# Allegro board WeChat_ZM_PART_20200601.brd (continued)
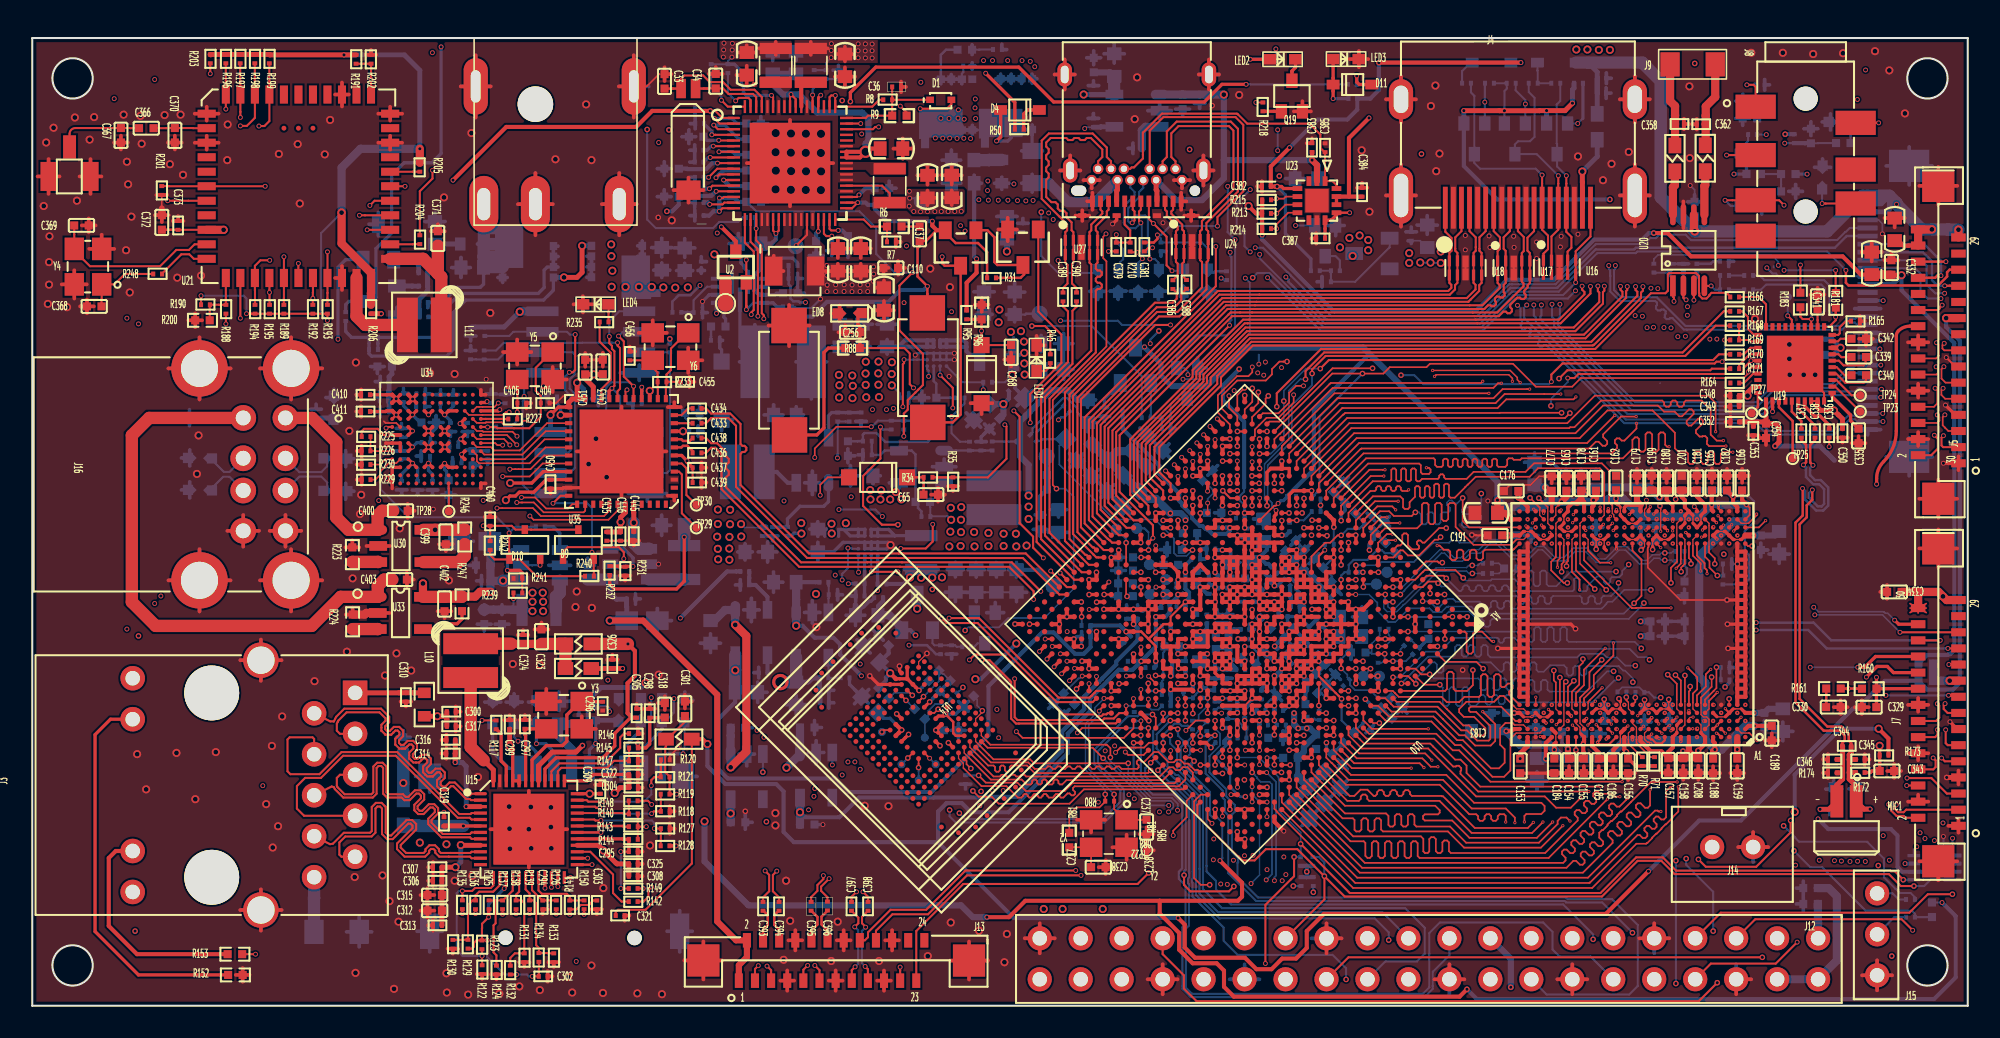
[diagram p0: board, top side]
## Routing (per net, layer and track width the routed paths; a pad name or vN(x,y) marks a point on that pad's centre or on a via; arc(x,y) is an arc through that point) (continued)
  TOP w0.229: 49.88,4.06 J13.14 ; J13.14 50.31,3.43 ; J13.14 50.31,4.68 ; J13.14 50.74,4.06 ; 24.85,8.26 C307.2 ; C307.2 24.85,8.92 ; C307.2 24.54,8.59 ; 40.43,2.81 J13.26 ; J13.26 41.61,3.98 ; J13.26 41.61,1.63 ; J13.26 42.79,2.81 ; J11.B12 71.78,51.19 ; J11.B12 70.78,51.19 ; J11.B12 71.28,50.69 ; 53.31,3.43 J13.20 ; J13.20 53.31,4.68 ; J13.20 52.88,4.06 ; J13.20 53.74,4.06 ; J7.16 116.92,19.08 ; J7.16 116.3,18.66 ; J7.16 116.92,18.23 ; J7.16 117.55,18.66 ; J5.1 119.42,34.06 ; J5.1 118.8,33.63 ; J5.1 119.42,33.21 ; 23.23,25.99 C403.2 ; C403.2 23.65,26.42 ; C403.2 23.23,26.85 ; 50.39,57.03 C11.2 ; C11.2 51.01,57.61 ; C11.2 50.39,58.18 ; C11.2 49.76,57.61 ; C315.2 24.5,7.29 ; C315.2 24.07,6.86 ; C315.2 24.5,6.44 ; C315.2 24.93,6.86 ; 18.78,56.5 U21.36 ; U21.36 19.63,56.5 ; U21.36 19.2,55.76 ; U21.36 19.2,57.24 ; C237.2 69.52,10.64 ; C237.2 69.09,10.21 ; C237.2 68.66,10.64 ; C237.2 69.09,11.06 ; C329.2 113.86,18.51 ; C329.2 113.43,18.08 ; C329.2 113.01,18.51 ; C329.2 113.43,18.94 ; 35.32,49.7 J1.3 ; J1.3 36.39,47.77 ; J1.3 37.47,49.7 ; J1.3 36.39,51.63 ; 58.08,1.62 J13.25 ; J13.25 58.08,3.98 ; J13.25 59.26,2.8 ; J13.25 56.9,2.8 ; J5.32 119.35,50.84 ; J5.32 118.17,52.01 ; J5.32 118.17,49.66 ; J5.32 117,50.84 ; 49.38,1.56 J13.13 ; J13.13 50.24,1.56 ; J13.13 49.81,0.93 ; J13.13 49.81,2.18 ; 19.43,24.26 R224.2 19.86,24.68 ; C158.2 102.36,14.87 ; C158.2 101.93,14.45 ; C158.2 102.36,14.02 ; C158.2 102.79,14.45 ; 37.03,5.59 C321.2 36.72,5.27 ; 25.13,24.46 C402.2 ; C402.2 25.56,24.03 ; C402.2 25.99,24.46 ; R152.1 13.04,2.34 ; R152.1 13.04,1.48 ; R152.1 12.62,1.91 ; R152.1 13.47,1.91 ; 97.6,14.42 C186.2 ; C186.2 98.03,14.85 ; C186.2 98.46,14.42 ; Y4.4 3.38,44.73 ; Y4.4 2.6,43.85 ; Y4.4 2.6,45.6 ; Y4.4 1.83,44.73 ; 79.3,47.58 C387.2 ; C387.2 79.6,47.9 ; C387.2 79.6,47.25 ; 44.3,52.25 U1.69 ; U1.69 46.98,49.57 ; U1.69 46.98,54.92 ; U1.69 49.66,52.25 ; C322.2 37.85,14.34 ; C322.2 37.54,14.01 ; C322.2 37.54,14.67 ; 72.95,56.81 J11.E1 ; J11.E1 72.95,58.67 ; J11.E1 72.32,57.74 ; J11.E1 73.58,57.74 ; SW2.2 46.92,43.45 ; SW2.2 46.92,40.9 ; SW2.2 45.64,42.17 ; SW2.2 48.2,42.17 ; C188.2 104.22,14.85 ; C188.2 103.79,14.42 ; C188.2 104.22,13.99 ; C188.2 104.64,14.42 ; 76.24,50.47 C382.2 ; C382.2 76.24,51.13 ; C382.2 75.94,50.8 ; 10.1,42.07 R200.1 ; R200.1 10.53,42.5 ; R200.1 10.1,42.93 ; R200.1 9.67,42.5 ; 31.96,1.49 C302.2 ; C302.2 32.26,1.82 ; C302.2 31.96,2.15 ; 24.5,5.47 C312.2 ; C312.2 24.07,5.9 ; C312.2 24.5,6.33 ; C312.2 24.93,5.9 ; C350.2 112.56,35.22 ; C350.2 111.91,35.22 ; C350.2 112.24,34.92 ; J11.E2 64.64,57.74 ; J11.E2 64.01,56.81 ; J11.E2 64.01,58.67 ; J11.E2 63.38,57.74 ; 23.28,30.26 C400.2 ; C400.2 23.71,30.69 ; C400.2 23.28,31.12 ; C324.2 30.43,23.29 ; C324.2 30.1,22.99 ; C324.2 30.76,22.99 ; 22.84,18.86 C310.1 ; C310.1 23.16,18.55 ; C310.1 23.49,18.86 ; 41.49,33.03 C437.2 ; C437.2 41.8,33.36 ; C437.2 41.49,33.69 ; 49.98,41.76 C256.2 ; C256.2 50.84,41.76 ; C256.2 50.41,42.19 ; C256.2 50.41,41.33 ; 40.67,39.24 Y6.4 ; Y6.4 41.55,40.02 ; Y6.4 40.67,40.8 ; 3.07,48.38 C369.2 ; C369.2 3.5,48.81 ; C369.2 3.5,47.95 ; C369.2 3.93,48.38 ; C368.2 3.82,43.36 ; C368.2 3.39,42.93 ; C368.2 2.97,43.36 ; C368.2 3.39,43.79 ; 33.56,43.49 LED4.2 ; LED4.2 34.14,42.99 ; LED4.2 34.14,43.99 ; LED4.2 34.72,43.49 ; J7.32 119.35,28.36 ; J7.32 117,28.36 ; J7.32 118.17,27.18 ; J7.32 118.17,29.53 ; 27.82,32.09 U34.A1 28.11,32.39 ; C411.2 20.39,37.17 ; C411.2 20.39,36.51 ; C411.2 20.08,36.84 ; 52.18,43.12 C109.2 ; C109.2 53.43,43.12 ; C109.2 52.81,43.7 ; C109.2 52.81,42.54 ; R223.2 19.85,28.85 ; R223.2 20.27,28.42 ; R223.2 19.42,28.42 ; J5.31 119.35,31.43 ; J5.31 117,31.43 ; J5.31 118.17,30.26 ; J5.31 118.17,32.61 ; J12.39 63.39,4.18 ; J12.39 62.46,3.25 ; J12.39 61.54,4.18 ; J12.39 62.46,5.11 ; C165.2 104.14,33.28 ; C165.2 104.14,32.43 ; C165.2 103.71,32.86 ; C165.2 104.57,32.86 ; C297.2 30.54,18.02 ; C297.2 30.87,17.72 ; C297.2 30.21,17.72 ; C268.2 60.69,40.49 ; C268.2 60.26,40.07 ; C268.2 60.69,39.64 ; C306.2 24.85,8.08 ; C306.2 24.54,7.75 ; C306.2 24.85,7.42 ; 110.26,44.09 C341.2 ; C341.2 110.69,44.52 ; C341.2 110.69,43.66 ; C341.2 111.12,44.09 ; 65.18,51.19 J11.B1 ; J11.B1 65.68,50.69 ; J11.B1 66.18,51.19 ; 71.23,49.35 J11.A1 ; J11.A1 71.56,49.88 ; J11.A1 71.23,50.41 ; Y2.4 67.85,10.6 ; Y2.4 66.97,9.83 ; Y2.4 67.85,9.05 ; 98.43,50.24 J4.20 ; J4.20 99.36,48.31 ; J4.20 100.29,50.24 ; J4.20 99.36,52.17 ; C33.2 39.63,57.76 ; C33.2 39.2,58.19 ; C33.2 39.2,57.33 ; C4.2 52,46.95 ; C4.2 51.37,47.53 ; C4.2 50.74,46.95 ; C4.2 51.37,46.37 ; 65.4,49.88 J11.A12 ; J11.A12 65.73,49.35 ; J11.A12 65.73,50.41 ; 113.45,1.89 J15.1 ; J15.1 114.38,2.81 ; J15.1 115.31,1.89 ; J15.1 114.38,0.96 ; C443.2 35.38,40.48 ; C443.2 35.38,39.63 ; C443.2 34.95,40.06 ; 1.01,50.34 J10.3 ; J10.3 1.01,52.5 ; J10.3 0.33,51.42 ; J10.3 1.69,51.42 ; R127.1 39.52,11.31 ; R127.1 39.82,10.98 ; R127.1 39.52,10.65 ; 53.39,53.14 C6.1 ; C6.1 53.97,53.77 ; C6.1 53.97,52.52 ; C6.1 54.55,53.14 ; C354.2 107.49,35.63 ; C354.2 107.06,35.2 ; C354.2 107.49,34.77 ; 27.56,1.96 R122.1 ; R122.1 27.89,1.66 ; R122.1 28.22,1.96 ; C309.2 35.55,13.7 ; C309.2 34.9,13.7 ; C309.2 35.23,14 ; 70.08,0.71 J12.34 ; J12.34 70.08,2.57 ; J12.34 69.16,1.64 ; J12.34 71.01,1.64 ; 105.28,37.5 C348.2 ; C348.2 105.28,38.15 ; C348.2 104.97,37.83 ; Q19.2 78.75,56.08 ; Q19.2 79.28,55.45 ; Q19.2 78.22,55.45 ; 27.82,38.18 U34.M1 28.11,37.89 ; 24.54,4.98 C313.2 ; C313.2 24.85,5.31 ; C313.2 24.85,4.66 ; 20.42,32.29 R229.1 ; R229.1 20.12,32.62 ; R229.1 20.42,32.95 ; C189.2 107.85,16.88 ; C189.2 107.42,16.45 ; C189.2 107.85,16.03 ; C189.2 108.28,16.45 ; 46.38,1.56 J13.7 ; J13.7 46.81,2.18 ; J13.7 47.24,1.56 ; J13.7 46.81,0.93 ; C34.2 42.81,57.77 ; C34.2 42.38,58.2 ; C34.2 41.95,57.77 ; J13.8 47.74,4.06 ; J13.8 47.31,4.68 ; J13.8 47.31,3.43 ; J13.8 46.88,4.06 ; 102.37,48.21 U20.7 102.37,49.87 ; C450.2 32.46,32.06 ; C450.2 31.8,32.06 ; C450.2 32.13,31.76 ; 106.38,35.37 C353.2 ; C353.2 106.71,35.06 ; C353.2 107.03,35.37 ; R202.1 21.33,58.96 ; R202.1 20.68,58.96 ; R202.1 21.01,59.26 ; 98.52,14.42 C156.2 ; C156.2 98.95,14 ; C156.2 99.37,14.42 ; C410.2 20.39,38.21 ; C410.2 20.39,37.56 ; C410.2 20.08,37.88 ; R231.1 37.09,26.67 ; R231.1 36.43,26.67 ; R231.1 36.76,26.37 ; 31.65,5.68 C294.2 31.98,5.98 ; C335.1 113.23,35.31 ; C335.1 112.8,34.88 ; C335.1 113.23,34.45 ; C335.1 113.66,34.88 ; C455.2 40.75,39.01 ; C455.2 41.06,38.68 ; C455.2 40.75,38.35 ; 30.51,2.4 R131.1 ; R131.1 30.18,2.7 ; R131.1 30.84,2.7 ; Y3.2 32.75,18.87 ; Y3.2 31.87,19.65 ; Y3.2 30.99,18.87 ; Y3.2 31.87,18.09 ; 116.3,12.66 J7.4 ; J7.4 116.92,13.08 ; J7.4 117.55,12.66 ; U21.3 10.82,53.94 ; U21.3 10.08,53.51 ; U21.3 10.82,53.08 ; U21.3 11.56,53.51 ; 29.19,40.53 Y5.2 ; Y5.2 30.07,41.31 ; Y5.2 30.07,39.75 ; Y5.2 30.94,40.53 ; J1.5 37.29,58.93 ; J1.5 37.29,55.07 ; J1.5 36.37,57 ; C345.2 113.91,15.27 ; C345.2 113.61,14.94 ; C345.2 113.61,15.6 ; C65.2 56.58,31.69 ; C65.2 56.16,32.12 ; C65.2 55.73,31.69 ; C65.2 56.16,31.26 ; C332.2 115.7,46.22 ; C332.2 115.27,46.65 ; C332.2 114.84,46.22 ; 95.77,14.42 C155.2 ; C155.2 96.63,14.42 ; C155.2 96.2,14.85 ; 116.92,35.14 117.55,35.14 ; 116.92,35.14 116.3,35.14 ; 116.92,35.14 116.92,34.71 ; 116.92,35.14 116.92,35.56 ; J13.19 53.24,1.56 ; J13.19 52.81,0.93 ; J13.19 52.38,1.56 ; J13.19 52.81,2.18 ; C182.2 105.5,32.86 ; C182.2 105.08,32.43 ; C182.2 105.08,33.28 ; C182.2 104.65,32.86 ; R133.1 32.66,2.7 ; R133.1 32.01,2.7 ; R133.1 32.33,2.4 ; 102.86,14.45 C208.2 ; C208.2 103.29,14.87 ; C208.2 103.29,14.02 ; C208.2 103.72,14.45 ; J16.H4 16.05,28.3 ; J16.H4 17.98,26.38 ; J16.H4 14.12,26.38 ; J16.H4 16.05,24.45 ; 26.25,17.9 C300.2 ; C300.2 26.25,18.56 ; C300.2 26.56,18.23 ; C9.2 44.3,58.28 ; C9.2 43.67,57.7 ; C9.2 44.3,57.12 ; 65.1,48.66 J11.E8 ; J11.E8 65.53,48.99 ; J11.E8 65.1,49.32 ; J11.E8 64.67,48.99 ; 39.22,18.34 C318.2 ; C318.2 39.22,19.19 ; C318.2 38.79,18.77 ; 103.2,54.33 C362.1 ; C362.1 103.2,54.98 ; C362.1 102.9,54.66 ; 35.64,21.46 C326.2 ; C326.2 35.97,21.77 ; C326.2 36.29,21.46 ; 10.37,24.45 J16.H3 ; J16.H3 12.3,26.38 ; J16.H3 8.44,26.38 ; J16.H3 10.37,28.3 ; C36.1 53.86,57.3 ; C36.1 54.17,56.97 ; C36.1 53.86,56.64 ; J7.31 119.35,8.96 ; J7.31 117,8.96 ; J7.31 118.17,7.78 ; U21.1 11.56,55.31 ; U21.1 10.82,54.88 ; U21.1 10.08,55.31 ; U21.1 10.82,55.74 ; J12.20 87.86,2.57 ; J12.20 86.94,1.64 ; J12.20 88.79,1.64 ; 113.31,42.12 R165.2 ; R165.2 113.62,42.45 ; R165.2 113.31,42.77 ; 82.25,58.19 LED3.2 ; LED3.2 82.25,59.2 ; LED3.2 82.83,58.69 ; LED3.2 81.68,58.69 ; 82.12,50.72 C384.2 ; C384.2 82.78,50.72 ; C384.2 82.45,51.02 ; 12.9,5.94 J3.15 ; J3.15 15.45,5.94 ; J3.15 14.18,4.66 ; J3.15 14.18,7.21 ; 50.05,42.43 ED8.2 ; ED8.2 50.05,43.42 ; ED8.2 49.54,42.93 ; C301.2 40.89,18.86 ; C301.2 40.46,18.44 ; C301.2 40.46,19.29 ; 8.03,48.59 C372.2 ; C372.2 8.46,49.02 ; C372.2 7.61,49.02 ; J1.6 28.42,57 ; J1.6 26.57,57 ; J1.6 27.49,55.07 ; J1.6 27.49,58.93 ; U35.49 39.31,34.37 ; U35.49 36.53,37.15 ; U35.49 33.76,34.37 ; U35.49 36.53,31.59 ; C439.2 41.49,32.77 ; C439.2 41.8,32.44 ; C439.2 41.49,32.11 ; 71.98,51.79 J11.E3 ; J11.E3 73.24,51.79 ; J11.E3 72.61,50.86 ; J11.E3 72.61,52.72 ; 105.77,9.84 J14.2 ; J14.2 106.69,10.77 ; J14.2 107.62,9.84 ; 20.11,34.4 R226.1 ; R226.1 20.42,34.73 ; R226.1 20.42,34.07 ; 37.47,18.71 C305.2 37.8,18.41 ; 105.58,32.86 C166.2 ; C166.2 106.01,32.43 ; C166.2 106.01,33.28 ; C166.2 106.44,32.86 ; C460.2 28.71,30.31 ; C460.2 28.06,30.31 ; C460.2 28.39,30.61 ; 65.65,10.75 Y2.2 ; Y2.2 66.53,11.53 ; Y2.2 64.77,11.53 ; 105.71,14 C159.2 ; C159.2 105.28,14.43 ; C159.2 106.14,14.43 ; C159.2 105.71,14.85 ; 49.95,46.37 C5.2 ; C5.2 49.95,47.53 ; C5.2 50.57,46.95 ; Y1.3 41.62,50.57 ; Y1.3 40.69,49.79 ; Y1.3 39.76,50.57 ; Y1.3 40.69,51.35 ; 69.11,9.21 TP22.1 ; TP22.1 69.53,9.64 ; TP22.1 69.11,10.07 ; 71.42,48.99 J11.E5 ; J11.E5 71.85,49.32 ; J11.E5 71.85,48.66 ; J11.E5 72.28,48.99 ; 63.72,51.79 J11.E4 ; J11.E4 64.35,52.72 ; J11.E4 64.98,51.79 ; C308.2 37.54,8.36 ; C308.2 37.84,8.03 ; C308.2 37.54,7.7 ; 58.43,43.45 R96.1 ; R96.1 58.86,43.03 ; R96.1 58.86,43.88 ; R96.1 59.29,43.45 ; 115,25.23 C334.2 ; C334.2 115,26.09 ; C334.2 114.57,25.66 ; C185.2 97.11,14.85 ; C185.2 97.54,14.42 ; C185.2 96.69,14.42 ; 116.92,15.23 J7.10 ; J7.10 117.55,15.66 ; J7.10 116.92,16.08 ; J7.10 116.3,15.66 ; Q2.2 61.05,48.13 ; Q2.2 59.9,48.13 ; Q2.2 60.47,48.86 ; Q2.2 60.47,47.4 ; C199.2 100.41,33.28 ; C199.2 100.41,32.43 ; C199.2 100.83,32.86 ; C199.2 99.98,32.86 ; C299.2 29.93,17.71 ; C299.2 29.27,17.71 ; C299.2 29.6,18.01 ; 66.55,8.16 C238.1 ; C238.1 66.98,8.59 ; C238.1 66.55,9.02 ; C238.1 66.12,8.59 ; J4.23 100.29,56.2 ; J4.23 98.43,56.2 ; J4.23 99.36,54.77 ; J4.23 99.36,57.63 ; 12.9,21.43 J3.16 ; J3.16 15.45,21.43 ; J3.16 14.18,20.15 ; J3.16 14.18,22.7 ; 20.69,24.35 U33.2 22.15,24.35 ; C342.2 114.12,41.36 ; C342.2 113.26,41.36 ; C342.2 113.69,40.93 ; C342.2 113.69,41.79 ; 99.06,32.86 C179.2 ; C179.2 99.49,33.28 ; C179.2 99.92,32.86 ; C179.2 99.49,32.43 ; 14.72,29.45 J16.A4 ; J16.A4 16.68,29.45 ; J16.A4 15.7,28.47 ; J16.A4 15.7,30.42 ; C370.2 8.84,53.95 ; C370.2 8.41,53.52 ; C370.2 8.84,53.09 ; C370.2 9.27,53.52 ; 25.21,28.61 C399.2 ; C399.2 25.64,28.18 ; C399.2 26.07,28.61 ; C181.2 103.63,32.86 ; C181.2 103.2,32.43 ; C181.2 103.2,33.28 ; C181.2 102.78,32.86 ; C373.2 9.04,48.96 ; C373.2 9.37,48.66 ; C373.2 8.71,48.66 ; Y6.2 38.47,42.5 ; Y6.2 37.59,41.72 ; Y6.2 38.47,40.94 ; Y6.2 39.35,41.72 ; C451.2 34.71,40.05 ; C451.2 34.28,40.48 ; C451.2 34.28,39.62 ; J10.2 3.61,52.5 ; J10.2 4.29,51.42 ; J10.2 3.61,50.34 ; J10.2 2.93,51.42 ; 37.38,40.57 C456.2 37.05,40.87 ; 37.3,28.53 C445.2 37.62,28.84 ; 106.57,1.64 J12.6 105.64,0.71 ; C295.2 37.54,9.88 ; C295.2 37.54,9.23 ; C295.2 37.84,9.56 ; 105.28,36.82 C349.2 ; C349.2 104.97,37.15 ; C349.2 105.28,37.47 ; LED1.2 62.77,40.95 ; LED1.2 62.27,40.38 ; LED1.2 62.27,41.53 ; 80.24,3.25 J12.25 ; J12.25 80.24,5.11 ; J12.25 81.17,4.18 ; C7.2 56.13,51.49 ; C7.2 55.5,50.91 ; C7.2 54.88,51.49 ; C7.2 55.5,52.07 ; 95.48,0.71 J12.14 ; J12.14 95.48,2.57 ; J12.14 94.56,1.64 ; J12.14 96.41,1.64 ; C371.2 25.15,48.45 ; C371.2 24.72,48.02 ; C371.2 25.57,48.02 ; 114.05,46.15 C331.2 ; C331.2 113.42,46.73 ; C331.2 114.67,46.73 ; C331.2 114.05,47.31 ; 99.64,4.18 J12.9 ; J12.9 101.49,4.18 ; J12.9 100.56,5.11 ; 28.41,10.95 v5(30.79,10.95) ; v5(30.79,10.95) 33.17,10.95 ; v5(30.79,10.95) 30.79,8.57 ; v5(30.79,10.95) 30.79,13.32 ; 37.85,16.87 R146.2 37.55,17.2 ; C157.2 101.43,14.87 ; C157.2 101.86,14.45 ; C157.2 101.01,14.45 ; 25.68,16.15 C316.2 ; C316.2 25.68,16.81 ; C316.2 25.37,16.48 ; 111.33,14.94 C346.2 ; C346.2 111.03,15.27 ; C346.2 111.33,15.6 ; C298.2 38.28,18.71 ; C298.2 37.96,18.41 ; C298.2 38.61,18.41 ; C154.2 95.28,14.85 ; C154.2 95.71,14.42 ; C154.2 94.85,14.42 ; C358.2 102.71,54.67 ; C358.2 102.4,55 ; C358.2 102.4,54.34 ; 30.93,37.37 C405.2 30.63,37.04 ; 119.42,13.73 J7.7 119.42,14.58 ; 79.35,53.78 C383.2 79.02,53.48 ; 31.19,47.77 J1.2 ; J1.2 30.12,49.7 ; J1.2 32.27,49.7 ; J1.2 31.19,51.63 ; 20.42,33.23 R230.1 ; R230.1 20.11,33.56 ; R230.1 20.42,33.88 ; 39.41,31.62 U35.1 39.81,31.32 ; C304.2 37.85,13.53 ; C304.2 37.55,13.85 ; C304.2 37.55,13.2 ; 56.38,51.5 C8.2 ; C8.2 57.63,51.5 ; C8.2 57.01,52.08 ; C8.2 57.01,50.92 ; C333.2 116.1,48.84 ; C333.2 115.47,48.26 ; C333.2 114.84,48.84 ; 111.69,18.51 C330.2 ; C330.2 112.12,18.94 ; C330.2 112.12,18.09 ; C330.2 112.55,18.51 ; 8.44,39.52 J16.H2 ; J16.H2 12.3,39.52 ; J16.H2 10.37,37.59 ; J16.H2 10.37,41.44 ; C177.2 94.63,32.83 ; C177.2 93.78,32.83 ; C177.2 94.2,32.4 ; 100.9,32.86 C180.2 ; C180.2 101.76,32.86 ; C180.2 101.33,33.28 ; C180.2 101.33,32.43 ; 39.41,37.12 U35.12 ; U35.12 40.21,37.12 ; U35.12 39.81,37.42 ; D5.1 59.53,37.36 ; D5.1 58.18,37.36 ; D5.1 58.85,36.68 ; 25.37,15.64 C314.2 ; C314.2 25.67,15.31 ; C314.2 25.67,15.97 ; C317.2 26.25,17.65 ; C317.2 26.56,17.33 ; C317.2 26.25,17 ; R7.1 53.85,47.36 ; R7.1 53.54,47.04 ; R7.1 53.54,47.69 ; J5.16 117.55,41.13 ; J5.16 116.3,41.13 ; J5.16 116.92,40.71 ; J5.16 116.92,41.56 ; R118.1 39.82,12.05 ; R118.1 39.52,11.72 ; R118.1 39.52,12.38 ; Y5.4 33.14,38.83 ; Y5.4 32.27,39.61 ; Y5.4 32.27,38.05 ; 56.75,32.21 R35.1 ; R35.1 57.08,31.91 ; R35.1 57.41,32.21 ; 95.12,32.4 C163.2 ; C163.2 95.55,32.83 ; C163.2 94.69,32.83 ; 37.55,14.86 R147.2 ; R147.2 37.85,15.18 ; R147.2 37.55,15.51 ; C110.2 54.11,45.75 ; C110.2 53.68,46.18 ; C110.2 53.68,45.32 ; C323.2 32,23.33 ; C323.2 31.57,23.76 ; C323.2 31.14,23.33 ; 35,5.68 C303.2 ; C303.2 35.33,5.98 ; C303.2 34.67,5.98 ; J4.21 84.86,52.17 ; J4.21 84.86,48.31 ; J4.21 85.79,50.24 ; J4.21 83.93,50.24 ; C367.2 5.93,53.52 ; C367.2 5.07,53.52 ; C367.2 5.5,53.09 ; C367.2 5.5,53.95 ; J16.H1 16.05,41.44 ; J16.H1 17.98,39.52 ; J16.H1 14.12,39.52 ; J16.H1 16.05,37.59 ; 8.35,50.27 R201.1 7.7,50.27 ; Y4.2 4.3,47.8 ; Y4.2 5.08,46.93 ; Y4.2 3.53,46.93 ; 111.03,14.44 R174.2 ; R174.2 111.33,14.77 ; R174.2 111.33,14.11 ; R124.1 29.11,1.94 ; R124.1 28.78,1.64 ; R124.1 28.45,1.94 ; 116.92,37.71 J5.10 ; J5.10 116.92,38.56 ; J5.10 117.55,38.14 ; J5.10 116.3,38.14 ; 115.01,14.56 C343.2 ; C343.2 115.44,14.98 ; C343.2 115.87,14.56 ; C343.2 115.44,14.13 ; 34.07,17.95 Y3.4 34.95,17.17 ; 25.75,3.53 R130.1 ; R130.1 26.41,3.53 ; R130.1 26.08,3.23 ; J7.1 119.42,11.58 ; J7.1 118.8,11.16 ; J7.1 119.42,10.73 ; J4.22 85.79,56.2 ; J4.22 84.86,54.77 ; J4.22 83.93,56.2 ; J4.22 84.86,57.63 ; 22.19,53.08 U21.31 ; U21.31 22.19,53.94 ; U21.31 22.93,53.51 ; U21.31 21.45,53.51 ; 19.2,44.38 U21.20 ; U21.20 18.78,45.12 ; U21.20 19.2,45.86 ; 20.72,28.51 U30.2 22.18,28.51 ; 22.19,54.88 U21.33 ; U21.33 21.45,55.31 ; U21.33 22.93,55.31 ; U21.33 22.19,55.74 ; C325.2 37.84,8.79 ; C325.2 37.54,9.12 ; C325.2 37.54,8.47 ; 96.04,32.4 C178.2 95.61,32.83 ; 13.08,28.47 J16.B4 ; J16.B4 12.1,29.45 ; J16.B4 13.08,30.42 ; J16.B4 14.06,29.45 ; 104.98,36.2 C352.2 ; C352.2 105.29,35.87 ; C352.2 105.29,36.53
  TOP w0.254: U11.P2 U11.P1 ; U11.P2 U11.R2 ; U11.P2 U11.N2 ; U11.P1 U11.R1 ; U11.P1 U11.N1 ; U10.K9 81.15,23.66 81.15,23.66 ; U11.T28 U11.R28 ; U11.T28 U11.U28 ; U11.T28 U11.T29 ; U11.R28 U11.P28 ; U11.R28 U11.R29 ; 77.93,23.66 U10.N13 77.93,23.66 v2(77.47,23.66) 77.47,23.2 U10.N14 ; U10.U14 75.62,25.03 75.17,25.03 75.17,24.58 U10.U15 ; U10.P16 76.16,22.74 v2(76.55,22.74) 77.01,22.74 U10.N15 ; U10.P16 76.09,22.74 v2(76.09,22.28) ; U10.P16 76.09,22.74 v2(76.09,23.2) 76.09,23.59 76.09,23.59 U10.R15 ; U11.T29 U11.U29 ; U11.T29 U11.R29 ; U11.U29 U11.U28 ; U11.U29 U11.V29 ; 73.79,26.42 73.79,26.81 73.79,26.81 U10.AA14 73.8,26.88 v2(73.8,27.34) 73.8,27.73 73.79,27.73 U10.AB13 ; 73.79,26.42 73.79,25.96 U10.Y15 ; 73.79,26.42 73.49,26.42 U10.AA15 ; 73.79,26.42 74.25,26.42 U10.Y14 ; U11.F2 U11.G2 ; U11.F2 U11.F1 U11.G1 ; U11.F2 U11.E2 ; U11.G2 U11.G1 ; U11.G2 U11.H2 ; U11.P28 U11.N28 ; U11.P28 U11.P29 ; U10.L12 v2(79.77,23.2) ; U10.L12 79.31,23.04 79.31,23.04 79.31,22.74 ; U10.L12 79.3,23.21 78.85,23.21 78.85,22.74 U10.L13 ; v2(79.77,23.2) 79.77,22.74 U10.K12 79.31,22.74 ; v2(79.77,23.2) 79.77,23.59 79.77,23.59 U10.L11 79.83,23.66 v2(80.22,23.66) ; 81.15,23.66 81.15,23.65 U10.J10 ; 81.15,23.66 U10.K10 80.23,23.66 ; 81.15,23.66 U10.J9 81.76,23.66 v2(82.06,23.66) ; 78.85,25.5 78.85,25.5 v2(78.85,25.04) 78.39,25.04 U10.P11 ; 78.85,25.5 78.39,25.5 78.39,25.11 78.39,25.1 U10.P11 ; 78.85,25.5 U10.P10 ; 76.09,28.71 U10.Y9 77.01,28.71 ; 76.09,28.71 76.09,28.26 U10.Y10 76.08,28.25 v2(75.63,28.25) ; 76.09,28.71 U10.AA10 ; 76.09,28.71 76.09,29.17 U10.AA9 76.09,29.18 75.64,29.18 ; U10.P11 78.38,25.03 77.93,25.03 77.93,24.58 U10.P12 ; U10.C20 79.31,15.84 v2(79.31,15.39) U10.C21 ; U11.L28 U11.K28 ; U11.L28 U11.M28 ; U11.L28 U11.L29 ; U11.K28 U11.J28 ; U11.K28 U11.K29 ; U11.J28 U11.H28 ; U11.J28 U11.J29 ; U11.H28 U11.H29 ; U11.H28 U11.G28 ; 72.78,16.3 U10.L27 ; U10.AA12 74.71,27.8 74.25,27.8 ; U10.AA12 74.71,27.79 75.17,27.79 ; U10.AA12 74.71,27.64 74.71,27.64 74.71,27.34 ; U10.AF17 70.12,27.34 ; 70.12,27.34 U10.AE17 ; 70.12,27.34 U10.AF18 ; U11.Y1 U11.AA1 ; U11.Y1 U11.Y2 ; U11.Y1 U11.W1 ; U11.AA1 U11.AA2 ; U11.AA1 U11.AB1 ; 118.92,14.16 118.7,14.16 v2(118.69,14.15) ; U10.R14 v2(76.09,24.12) 76.09,23.73 76.09,23.73 U10.R15 ; v2(64.14,24.12) U10.AJ27 ; v2(64.14,24.12) 64.6,24.12 U10.AH27 ; v2(64.14,24.12) 63.68,24.12 U10.AJ28 v2(63.68,23.66) ; U10.W9 77.01,28.41 77.01,28.41 77.01,28.71 ; U11.L2 U11.K2 ; U11.L2 U11.M2 ; U11.L2 U11.L1 ; U11.K2 U11.K1 ; U11.K2 U11.J2 ; U11.U2 U11.T2 ; U11.U2 U11.V2 ; U11.U2 U11.U1 ; U11.T2 U11.R2 ; U11.T2 U11.T1 ; v2(71.05,26.42) 71.49,26.42 U10.AC17 71.95,26.42 ; v2(71.05,26.42) 71.05,26.87 U10.AD17 ; v2(71.05,26.42) 71.05,25.97 U10.AC18 71.1,25.96 ; U10.L13 78.85,22.58 78.85,22.58 v2(78.85,22.28) ; U10.L13 79,22.74 79.31,22.74 ; U10.L13 78.39,22.74 78.39,22.28 U10.L14 ; U11.AB29 U11.AC29 ; U11.AB29 U11.AA29 ; U11.AB29 U11.AB28 ; U11.AC29 U11.AC28 ; U11.AC29 U11.AD29 U11.AD28 ; U10.AA15 73.26,26.42 72.42,26.42 U10.AB16 72.34,26.42 71.95,26.42 ; U10.AA15 73.33,26.35 73.33,26.35 v2(73.33,25.96) 73.33,25.5 U10.Y16 73.33,25.43 73.34,25.43 v2(73.34,25.04) ; U10.Y14 74.25,26.48 74.25,26.49 v2(74.25,26.88) 74.25,27.33 U10.AA13 ; U10.Y14 74.71,26.42 ; U10.AJ12 71.04,31.47 v2(70.58,31.47) ; U11.R1 U11.R2 ; U11.R1 U11.T1 ; U10.C12 82.99,19.52 83.43,19.52 83.44,19.51 v2(83.45,19.51) 83.45,19.52 U10.C11 83.45,19.98 ; v2(69.23,17.67) 69.09,17.81 69.09,17.81 68.76,18.14 U10.U29 68.74,18.14 ; 74.25,27.8 73.8,27.8 U10.AB13 ; 74.25,27.8 74.25,27.34 U10.AA13 ; v2(75.17,24.12) U10.U16 v2(74.25,24.12) U10.V17 v2(73.33,24.12) ; v2(75.17,24.12) 75.17,23.66 U10.T16 ; v2(75.17,24.12) 75.17,24.58 U10.U15 ; 73.34,20.9 U10.R21 73.33,20.9 v2(72.87,20.9) U10.T21 72.42,21.36 72.42,21.82 ; U10.W21 71.04,22.74 71.04,22.29 U10.W22 71.03,22.28 70.58,22.28 ; U10.AJ14 70.11,30.55 v2(69.66,30.55) U10.AJ15 69.66,30.09 ; v2(73.34,25.04) U10.Y17 ; v2(73.34,25.04) 73.34,24.58 U10.W17 73.33,24.51 73.33,24.51 v2(73.33,24.12) ; U11.Y29 U11.Y28 ; U11.Y29 U11.W29 ; U11.Y29 U11.AA29 ; U11.Y28 U11.AA28 ; U11.Y28 U11.W28 ; U10.N17 v2(76.55,21.82) 76.94,21.82 U10.M16 77.01,21.67 77.01,21.66 v2(77.01,21.36) 77.47,21.36 77.47,21.36 77.47,21.82 U10.L15 ; U10.N17 76.09,21.82 ; U10.N17 76.09,21.89 76.09,21.89 v2(76.09,22.28) ; U11.M2 U11.M1 ; U11.M2 U11.N2 ; v2(81.62,25.96) U10.L6 ; 71.95,26.42 71.95,26.12 71.96,26.11 U10.AB17 71.95,25.95 ; 71.95,26.42 71.95,26.72 71.96,26.72 U10.AC16 U10.AC15 U10.AB15 ; U10.R15 v2(75.63,23.66) 75.63,23.2 U10.R16 75.63,23.13 75.63,23.13 v2(75.63,22.74) 75.63,22.28 U10.P17 75.79,22.28 v2(76.09,22.28) ; v2(66.9,18.6) U10.W30 ; 74.25,29.17 U10.AC11 74.26,29.17 v2(74.72,29.17) ; U11.G29 U11.G28 ; U11.G29 U11.F29 U11.F28 ; U11.G29 U11.H29 ; U11.G28 U11.F28 ; 75.64,29.18 75.64,28.72 U10.AA10 ; 75.64,29.18 75.64,29.48 75.63,29.48 U10.AB9 ; 75.64,29.18 75.25,29.18 75.24,29.17 U10.AB10 ; U10.G27 v2(74.25,14.93) U10.H26 ; U11.P29 U11.R29 ; U11.P29 U11.N29 ; U10.AD3 77.47,33.31 ; U10.AD3 76.79,33.31 ; U10.AD3 77.47,33.31 v2(77.47,33.77) ; U10.AB10 75.18,29.17 v2(75.18,28.71) ; U10.AB10 75.17,29.17 v2(74.72,29.17) ; U10.W23 70.58,22.28 ; U10.W23 70.58,21.42 70.63,21.36 U10.V23 71.03,21.36 71.03,20.94 v2(71.07,20.91) 71.08,20.9 71.42,20.9 U10.U23 ; U10.W23 70.57,21.82 ; 70.58,22.28 70.12,22.28 U10.Y23 70.12,22.73 70.1,22.74 U10.AA23 ; 69.65,25.04 U10.AC20 U10.AB19 ; 69.65,25.04 69.65,24.59 U10.AC21 v2(69.2,24.58) ; 69.65,25.04 U10.AD21 69.2,24.88 69.2,24.88 v2(69.2,24.58) ; U11.K1 U11.L1 ; U11.K1 U11.J1 ; U11.L1 U11.M1 ; v2(67.36,24.58) U10.AE23 v2(68.28,24.58) U10.AD22 v2(69.2,24.58) ; v2(67.36,24.58) 67.06,24.58 U10.AF24 v2(66.44,24.58) ; v2(67.36,24.58) 67.36,24.88 67.36,24.88 U10.AF23 ; U11.V1 U11.W1 ; U11.V1 U11.V2 ; U11.V1 U11.U1 ; U11.W1 U11.W2 ; U10.L14 78.54,22.28 78.55,22.28 v2(78.85,22.28) ; U10.L14 78.32,22.28 77.93,22.28 77.93,21.82 U10.L15 ; U10.L14 78.39,22.12 78.39,22.12 78.39,21.82 ; v2(69.2,24.58) 69.2,24.12 U10.AC22 69.2,24.12 69.2,23.66 ; v2(82.06,23.66) 82.06,24.11 U10.J8 82.06,24.12 v2(82.06,24.58) ; v2(82.06,23.66) 82.06,23.36 82.07,23.35 U10.H9 v2(82.07,22.74) ; U10.R23 v2(72.41,19.59) ; U10.K18 v2(77.01,20.45) ; 89.47,23.66 v2(89.47,23.66) U10.A1 ; v2(73.33,24.12) U10.W18 ; U11.M29 U11.M28 ; U11.M29 U11.L29 ; U11.M29 U11.N29 ; U11.M28 U11.N28 ; 75.17,27.79 75.17,28.1 75.17,28.1 U10.AA11 75.17,28.7 v2(75.18,28.71) ; 75.17,27.79 75.56,27.79 75.56,27.8 U10.Y11 75.63,27.86 75.63,27.86 v2(75.63,28.25) ; 75.17,27.79 75.17,27.34 U10.Y12 75.17,27.26 75.17,27.25 75.17,26.57 75.17,26.57 U10.W13 74.71,26.42 ; 65.52,25.96 U10.AJ24 65.52,26.11 65.52,26.12 v2(65.52,26.42) U10.AJ23 v2(65.98,26.87) ; U10.AE14 v2(72.41,28.71) U10.AD13 ; U10.A31 v2(75.17,10.33) 74.72,10.33 U10.B31 v2(74.71,10.79) ; U10.AB13 73.79,27.79 v2(73.33,27.79) 73.33,28.25 U10.AC13 ; U10.C26 v2(76.09,13.09) ; v2(82.06,24.58) U10.K8 81.6,24.59 v2(81.6,25.04) U10.L8 ; v2(82.06,24.58) U10.J7 U10.J6 ; 80.23,26.42 U10.N8 v2(80.69,25.96) U10.M8 ; 80.23,26.42 U10.P8 ; 80.23,26.42 U10.P7 80.69,26.88 U10.P6 v2(80.69,27.8) U10.R6 ; 73.79,20.44 U10.P21 73.8,20.44 73.8,19.98 74.25,19.98 U10.N21 ; U10.V3 U10.U3 80.7,30.09 v2(80.7,29.67) ; U11.M1 U11.N1 ; U11.N1 U11.N2 ; U10.W19 v2(71.95,23.66) U10.Y20 ; U11.L29 U11.K29 ; U10.M3 83.45,27.8 ; 83.45,27.8 83.45,27.79 U10.L3 ; 83.45,27.8 v2(83.45,27.8) ; v2(78.85,22.28) 78.85,21.82 U10.K14 78.39,21.82 ; U11.V2 U11.W2 ; 77.01,28.71 U10.W8 77.47,28.71 ; U10.E24 76.56,14.93 v1(76.56,15.37) ; U10.V10 77.01,27.33 77.01,26.49 77.01,26.48 U10.U11 ; U10.M10 79.77,24.58 v2(79.34,24.58) ; v2(71.96,32.85) 72.42,32.85 U10.AJ9 v2(72.41,33.31) 72.87,33.31 U10.AJ8 v2(72.87,33.77) ; U10.G5 v2(84.36,24.11) ; 74.71,21.36 v2(75.17,21.36) 75.17,20.9 U10.N19 ; 74.71,21.36 U10.P19 ; 74.71,21.36 74.72,21.36 74.72,22.28 U10.R18 74.71,22.29 73.8,22.29 U10.T19 73.79,22.28 73.79,22.73 ; v2(76.09,22.28) U10.N16 ; 74.71,27.34 74.32,27.34 U10.AA13 ; 74.71,27.34 74.71,26.88 U10.Y13 74.71,26.87 74.71,26.42 ; U10.AC25 67.82,22.74 v2(67.36,22.74) ; U11.G1 U11.H1 ; U11.H1 U11.J1 ; U11.H1 U11.H2 ; U10.T8 78.85,27.52 v2(78.85,27.8) 78.46,27.8 78.46,27.8 U10.U8 78.39,27.8 v2(78.39,28.25) 78,28.25 U10.V8 ; U10.M23 U10.L22 74.71,18.6 75.17,18.6 ; v2(67.36,22.74) 66.9,22.74 U10.AD26 ; v2(67.36,22.74) U10.AC26 ; U11.U28 U11.V28 ; v2(63.68,23.66) 63.22,23.66 U10.AJ29 ; v2(63.68,23.66) U10.AH29 ; U11.AC2 U11.AB2 ; U11.AC2 U11.AC1 ; U11.AC2 U11.AD2 ; U11.AB2 U11.AB1 ; U11.AB2 U11.AA2 ; 84.82,20.9 v2(84.83,20.9) 84.83,21.2 84.82,21.2 U10.C8 ; v2(82.07,22.74) U10.H10 81.61,22.28 81.15,22.28 U10.H11 81.15,21.82 80.69,21.82 U10.H12 80.69,21.36 80.23,21.36 U10.H13 ; v2(82.07,22.74) U10.G9 ; U11.AD2 U11.AD1 U11.AC1 ; U11.AD2 U11.AE2 ; U10.U11 77.01,26.42 76.55,26.42 U10.U12 ; U10.U11 77.86,26.42 U10.T10 77.93,26.41 ; v2(67.36,28.25) U10.AJ20 67.36,27.79 v2(66.9,27.79) U10.AJ21 ; U11.AA2 U11.Y2 ; U11.J29 U11.H29 ; U11.J29 U11.K29 ; U10.J21 v2(76.55,18.14) ; U11.AA28 U11.AB28 ; U11.AA28 U11.AA29 ; U10.L15 77.93,21.67 77.93,21.66 v2(77.93,21.36) 77.93,20.9 U10.K16 v2(77.47,20.9) 77.47,21.2 77.47,21.21 U10.L16 ; U10.L15 78.09,21.82 78.39,21.82 ; U10.AB23 69.2,23.2 69.2,23.66 ; v2(75.63,28.25) U10.AA10 ; U10.U15 75.17,24.58 ; 75.19,11.72 U10.C29 75.16,11.72 ; U10.E31 73.34,11.71 73.34,12.16 v2(73.34,12.17) ; 75.16,11.72 75.16,11.72 ; 75.16,11.72 v2(75.16,12.17) ; 65.52,21.36 U10.AD29 ; U10.AD29 65.52,21.36 v2(65.08,21.37) ; U10.AD29 65.52,21.2 65.52,21.2 v2(65.52,20.9) U10.AC29 ; U10.E4 85.74,23.66 v2(85.74,23.66) 85.74,23.65 U10.D5 ; U11.J1 U11.J2 ; v2(77.93,18.6) U10.G18 v2(78.39,19.06) ; v2(77.93,18.6) 77.93,19.06 U10.H18 77.93,19.06 v2(78.39,19.06) ; v2(77.93,18.6) U10.H19 ; U11.W2 U11.Y2 ; U10.AG2 v2(76.55,34.68) ; v2(66.9,19.52) U10.Y29 ; U10.AG29 64.14,22.74 v2(64.58,22.74) 64.58,22.3 U10.AF29 64.6,22.28 v2(65.04,22.28) ; U11.W28 U11.V28 ; U11.W28 U11.W29 ; U11.V28 U11.V29 ; U11.N29 U11.N28 ; U10.AA10 v2(75.18,28.71) ; U10.F15 80.23,19.52 v2(80.23,19.06) U10.E15 ; U11.F28 U11.E28 ; v2(77.93,16.76) 77.93,17.22 U10.F20 ; v2(77.93,16.76) 77.93,16.46 77.93,16.46 U10.E21 77.93,16.31 ; v2(77.93,16.76) U10.F21 ; U10.K22 75.17,18.43 75.17,18.44 ; U10.AF20 v2(69.2,26.42) ; U11.J2 U11.H2 ; U11.T1 U11.U1 ; 73.79,22.73 73.34,22.73 U10.U19 ; 73.79,22.73 74.25,22.73 U10.T18 v2(74.25,22.29) ; U10.AJ26 64.6,25.04 v2(65.04,25.04) ; U10.D29 v2(75.16,12.17) ; v2(75.16,12.17) U10.C28 ; 79.31,17.68 U10.E18 79.31,17.69 v2(78.85,17.69) U10.F18 ; U10.E2 86.67,25.05 v2(87.12,25.05) ; U11.AC1 U11.AB1 ; v2(74.72,29.17) 74.72,28.72 U10.AB11 74.71,28.71 v2(75.18,28.71) ; U10.AJ6 73.8,34.23 v2(73.8,34.69) U10.AJ5 ; U10.A27 77.01,11.41 v1(77.6,10.83) ; U11.AD28 U11.AC28 ; U11.AD28 U11.AE28 ; U11.AC28 U11.AB28 ; v2(78.39,19.06) U10.H17 78.84,19.52 78.85,19.53 U10.H16 79.29,19.98 79.31,20 U10.H15 ; U10.AE27 v2(65.98,23.2) ; U10.AA29 66.9,19.98 ; U10.AL1 v2(75.17,37.84) ; U10.C28 75.63,12.17 ; U10.C28 75.64,12.16 ; U10.AJ18 v2(68.72,28.71) 68.72,29.16 U10.AJ17 ; v2(60.93,23.67) 61.38,23.67 U10.AL31 ; U10.AA26 v2(68.28,21.8) ; 84.36,22.74 U10.E7 ; U11.V29 U11.W29 ; 69.2,23.66 v2(69.18,23.66) 68.74,23.66 U10.AC23 ; 72.42,21.82 U10.U21 ; 72.42,21.82 v2(72.85,21.82) ; U10.E12 v2(82.07,19.98) ; U10.AJ11 71.49,31.93 ; U10.B5 v2(87.12,22.28) ; U10.AE12 73.33,29.63 U10.AE11 73.8,30.09 v2(73.8,30.09) U10.AD10 ; U10.L20 75.63,19.46 75.63,19.46 v2(75.63,19.07) 76.09,19.07 U10.K20 ; U10.AF9 v2(73.79,31.01) ; 80.69,17.22 U10.C17
  TOP w0.305: v2(118.69,14.15) 119.42,14.15 J7.7 ; 94.85,14.42 C184.2 ; U27.8 U27.3 ; U24.8 U24.3
  TOP w0.356: 37.08,28.84 C445.2 ; 94.02,14.42 C184.2 ; 8.03,49.44 8.03,49.32 ; 96.46,32.83 96.39,32.83
  TOP w0.508: U33.2 21.42,24.36 20.72,24.36 20.61,24.26 R224.2
  GND1 w0.229: 27.49,55.07 J1.6 ; J1.6 27.49,58.93 ; J1.6 26.57,57 ; J1.6 28.42,57 ; J12.9 100.56,5.11 ; J12.9 99.64,4.18 ; J12.9 101.49,4.18 ; J12.9 100.56,3.25 ; J4.21 84.86,52.17 ; J4.21 84.86,48.31 ; J4.21 85.79,50.24 ; J4.21 83.93,50.24 ; J4.23 100.29,56.2 ; J4.23 98.43,56.2 ; J4.23 99.36,54.77 ; J4.23 99.36,57.63 ; 36.39,47.77 J1.3 ; J1.3 36.39,51.63 ; J1.3 35.32,49.7 ; J1.3 37.47,49.7 ; J15.1 114.38,2.81 ; J15.1 114.38,0.96 ; J15.1 113.45,1.89 ; J15.1 115.31,1.89 ; J16.A4 16.68,29.45 ; J16.A4 15.7,28.47 ; J16.A4 14.72,29.45 ; J16.A4 15.7,30.42 ; 61.54,4.18 J12.39 ; J12.39 62.46,3.25 ; J12.39 62.46,5.11 ; J12.39 63.39,4.18 ; 65.18,51.19 J11.B1 ; J11.B1 66.18,51.19 ; J11.B1 65.68,50.69 ; J12.14 95.48,2.57 ; J12.14 94.56,1.64 ; J12.14 95.48,0.71 ; J12.14 96.41,1.64 ; J1.2 31.19,51.63 ; J1.2 31.19,47.77 ; J1.2 32.27,49.7 ; J1.2 30.12,49.7 ; J14.2 107.62,9.84 ; J14.2 106.69,8.91 ; J14.2 106.69,10.77 ; J14.2 105.77,9.84 ; 12.9,21.43 J3.16 ; J3.16 15.45,21.43 ; J3.16 14.18,22.7 ; J3.16 14.18,20.15 ; 37.29,55.07 J1.5 ; J1.5 37.29,58.93 ; J1.5 38.22,57 ; J1.5 36.37,57 ; J11.E3 72.61,52.72 ; J11.E3 73.24,51.79 ; J11.E3 71.98,51.79 ; J11.E3 72.61,50.86 ; 70.08,0.71 J12.34 ; J12.34 71.01,1.64 ; J12.34 70.08,2.57 ; J12.34 69.16,1.64 ; J11.E2 64.64,57.74 ; J11.E2 64.01,56.81 ; J11.E2 64.01,58.67 ; J11.E2 63.38,57.74 ; 8.44,39.52 J16.H2 ; J16.H2 10.37,37.59 ; J16.H2 10.37,41.44 ; J16.H2 12.3,39.52 ; J3.15 14.18,7.21 ; J3.15 14.18,4.66 ; J3.15 12.9,5.94 ; J3.15 15.45,5.94 ; J4.22 84.86,57.63 ; J4.22 85.79,56.2 ; J4.22 84.86,54.77 ; J4.22 83.93,56.2 ; 10.37,24.45 J16.H3 ; J16.H3 12.3,26.38 ; J16.H3 8.44,26.38 ; J16.H3 10.37,28.3 ; 72.32,57.74 J11.E1 ; J11.E1 72.95,56.81 ; J11.E1 72.95,58.67 ; J11.E1 73.58,57.74 ; J16.H1 17.98,39.52 ; J16.H1 16.05,37.59 ; J16.H1 14.12,39.52 ; J16.H1 16.05,41.44 ; J12.25 81.17,4.18 ; J12.25 80.24,5.11 ; J12.25 79.32,4.18 ; J12.25 80.24,3.25 ; J4.20 99.36,52.17 ; J4.20 100.29,50.24 ; J4.20 99.36,48.31 ; J4.20 98.43,50.24 ; 14.12,26.38 J16.H4 ; J16.H4 16.05,24.45 ; J16.H4 17.98,26.38 ; J16.H4 16.05,28.3 ; J16.B4 14.06,29.45 ; J16.B4 13.08,30.42 ; J16.B4 13.08,28.47 ; J16.B4 12.1,29.45 ; 71.28,50.69 J11.B12 ; J11.B12 71.78,51.19 ; J11.B12 70.78,51.19 ; J12.30 76.09,1.64 ; J12.30 74.24,1.64 ; J12.30 75.16,0.71 ; J12.30 75.16,2.57 ; J11.E4 64.98,51.79 ; J11.E4 63.72,51.79 ; J11.E4 64.35,52.72 ; 105.64,0.71 J12.6 ; J12.6 105.64,2.57 ; J12.6 106.57,1.64 ; J12.20 88.79,1.64 ; J12.20 87.86,0.71 ; J12.20 87.86,2.57 ; J12.20 86.94,1.64
  SIG1 w0.229: 15.7,28.47 J16.A4 ; J16.A4 16.68,29.45 ; J16.A4 14.72,29.45 ; J16.A4 15.7,30.42 ; J16.H1 16.05,41.44 ; J16.H1 14.12,39.52 ; J16.H1 16.05,37.59 ; J16.H1 17.98,39.52 ; 88.79,1.64 J12.20 86.94,1.64 ; 71.28,50.69 J11.B12 ; J11.B12 70.78,51.19 ; J11.B12 71.78,51.19 ; 14.18,4.66 J3.15 ; J3.15 15.45,5.94 ; J3.15 14.18,7.21 ; J3.15 12.9,5.94 ; J11.E4 64.35,52.72 ; J11.E4 64.98,51.79 ; J11.E4 63.72,51.79 ; 113.45,1.89 J15.1 ; J15.1 114.38,0.96 ; J15.1 114.38,2.81 ; J15.1 115.31,1.89 ; J4.21 85.79,50.24 ; J4.21 83.93,50.24 ; J4.21 84.86,52.17 ; J4.21 84.86,48.31 ; 14.12,26.38 J16.H4 ; J16.H4 16.05,24.45 ; J16.H4 16.05,28.3 ; J16.H4 17.98,26.38 ; 35.32,49.7 J1.3 ; J1.3 36.39,47.77 ; J1.3 36.39,51.63 ; J1.3 37.47,49.7 ; J4.20 100.29,50.24 ; J4.20 99.36,48.31 ; J4.20 99.36,52.17 ; J4.20 98.43,50.24 ; 10.37,37.59 J16.H2 ; J16.H2 12.3,39.52 ; J16.H2 10.37,41.44 ; J16.H2 8.44,39.52 ; J12.39 62.46,5.11 ; J12.39 61.54,4.18 ; J12.39 63.39,4.18 ; J12.34 71.01,1.64 ; J12.34 70.08,2.57 ; J12.34 70.08,0.71 ; J12.34 69.16,1.64 ; 105.64,2.57 J12.6 106.57,1.64 ; J11.E2 64.01,58.67 ; J11.E2 63.38,57.74 ; J11.E2 64.64,57.74 ; J1.2 31.19,51.63 ; J1.2 31.19,47.77 ; J1.2 32.27,49.7 ; J14.2 106.69,10.77 ; J14.2 105.77,9.84 ; J14.2 107.62,9.84 ; J14.2 106.69,8.91 ; J11.B1 66.18,51.19 ; J11.B1 65.18,51.19 ; J11.B1 65.68,50.69 ; J3.16 15.45,21.43 ; J3.16 12.9,21.43 ; J3.16 14.18,20.15 ; J3.16 14.18,22.7 ; 96.41,1.64 J12.14 94.56,1.64 ; J16.B4 14.06,29.45 ; J16.B4 13.08,30.42 ; J16.B4 12.1,29.45 ; J16.B4 13.08,28.47 ; J12.30 75.16,2.57 ; J12.30 75.16,0.71 ; J12.30 76.09,1.64 ; J12.30 74.24,1.64 ; J4.23 100.29,56.2 ; J4.23 99.36,57.63 ; J4.23 99.36,54.77 ; J4.23 98.43,56.2 ; J12.9 100.56,5.11 ; J12.9 101.49,4.18 ; J12.9 99.64,4.18 ; J12.9 100.56,3.25 ; 71.98,51.79 J11.E3 ; J11.E3 72.61,52.72 ; J11.E3 73.24,51.79 ; J11.E3 72.61,50.86 ; 8.44,26.38 J16.H3 ; J16.H3 12.3,26.38 ; J16.H3 10.37,28.3 ; J16.H3 10.37,24.45
  GND2 w0.229: 98.43,56.2 J4.23 ; J4.23 100.29,56.2 ; J4.23 99.36,54.77 ; J4.23 99.36,57.63 ; J11.E3 73.24,51.79 ; J11.E3 71.98,51.79 ; J11.E3 72.61,50.86 ; J11.E3 72.61,52.72 ; 36.37,57 J1.5 ; J1.5 38.22,57 ; J1.5 37.29,55.07 ; J1.5 37.29,58.93 ; 35.32,49.7 J1.3 ; J1.3 37.47,49.7 ; J1.3 36.39,47.77 ; J1.3 36.39,51.63 ; J12.20 87.86,2.57 ; J12.20 88.79,1.64 ; J12.20 87.86,0.71 ; J12.20 86.94,1.64 ; J16.H2 10.37,41.44 ; J16.H2 12.3,39.52 ; J16.H2 10.37,37.59 ; J16.H2 8.44,39.52 ; J11.E4 64.98,51.79 ; J11.E4 63.72,51.79 ; J11.E4 64.35,52.72 ; J11.E1 73.58,57.74 ; J11.E1 72.95,58.67 ; J11.E1 72.32,57.74 ; J11.E1 72.95,56.81 ; 12.9,5.94 J3.15 ; J3.15 14.18,7.21 ; J3.15 14.18,4.66 ; J3.15 15.45,5.94 ; J12.34 71.01,1.64 ; J12.34 70.08,0.71 ; J12.34 69.16,1.64 ; J12.34 70.08,2.57 ; 94.56,1.64 J12.14 ; J12.14 95.48,2.57 ; J12.14 96.41,1.64 ; J12.14 95.48,0.71 ; 15.7,28.47 J16.A4 ; J16.A4 14.72,29.45 ; J16.A4 16.68,29.45 ; J16.A4 15.7,30.42 ; 106.69,8.91 J14.2 ; J14.2 105.77,9.84 ; J14.2 107.62,9.84 ; J14.2 106.69,10.77 ; 80.24,3.25 J12.25 ; J12.25 81.17,4.18 ; J12.25 79.32,4.18 ; J12.25 80.24,5.11 ; J16.H1 17.98,39.52 ; J16.H1 16.05,41.44 ; J16.H1 16.05,37.59 ; J16.H1 14.12,39.52 ; J12.9 100.56,5.11 ; J12.9 100.56,3.25 ; J12.9 101.49,4.18 ; J12.9 99.64,4.18 ; 65.18,51.19 J11.B1 ; J11.B1 65.68,50.69 ; J11.B1 66.18,51.19 ; 62.46,3.25 J12.39 ; J12.39 62.46,5.11 ; J12.39 61.54,4.18 ; J12.39 63.39,4.18 ; J1.6 27.49,58.93 ; J1.6 28.42,57 ; J1.6 27.49,55.07 ; J1.6 26.57,57 ; 113.45,1.89 J15.1 ; J15.1 114.38,0.96 ; J15.1 114.38,2.81 ; J15.1 115.31,1.89 ; J16.H3 10.37,28.3 ; J16.H3 12.3,26.38 ; J16.H3 10.37,24.45 ; J16.H3 8.44,26.38 ; 83.93,56.2 J4.22 ; J4.22 84.86,54.77 ; J4.22 85.79,56.2 ; J4.22 84.86,57.63 ; 30.12,49.7 J1.2 ; J1.2 31.19,47.77 ; J1.2 32.27,49.7 ; J1.2 31.19,51.63 ; J4.20 99.36,52.17 ; J4.20 98.43,50.24 ; J4.20 99.36,48.31 ; J4.20 100.29,50.24 ; 74.24,1.64 J12.30 ; J12.30 76.09,1.64 ; J12.30 75.16,0.71 ; J12.30 75.16,2.57 ; 14.12,26.38 J16.H4 ; J16.H4 17.98,26.38 ; J16.H4 16.05,24.45 ; J16.H4 16.05,28.3 ; 12.1,29.45 J16.B4 ; J16.B4 14.06,29.45 ; J16.B4 13.08,28.47 ; J16.B4 13.08,30.42 ; J12.6 106.57,1.64 ; J12.6 105.64,0.71 ; J12.6 105.64,2.57 ; 14.18,20.15 J3.16 ; J3.16 12.9,21.43 ; J3.16 15.45,21.43 ; J3.16 14.18,22.7 ; J11.E2 64.64,57.74 ; J11.E2 64.01,56.81 ; J11.E2 63.38,57.74 ; J11.E2 64.01,58.67 ; 84.86,48.31 J4.21 ; J4.21 85.79,50.24 ; J4.21 83.93,50.24 ; J4.21 84.86,52.17 ; 70.78,51.19 J11.B12 ; J11.B12 71.28,50.69 ; J11.B12 71.78,51.19